# Altium PCB de10nano.PcbDoc (part 2 of 2)
Units mm, origin at the board's own origin, x right, y up, seen from the top; angles counter-clockwise.
Board outline 153.25 x 71.92 mm, 2 copper layers (Top Layer, Bottom Layer); 203 components, 228 nets, 661 pads, 124 vias.
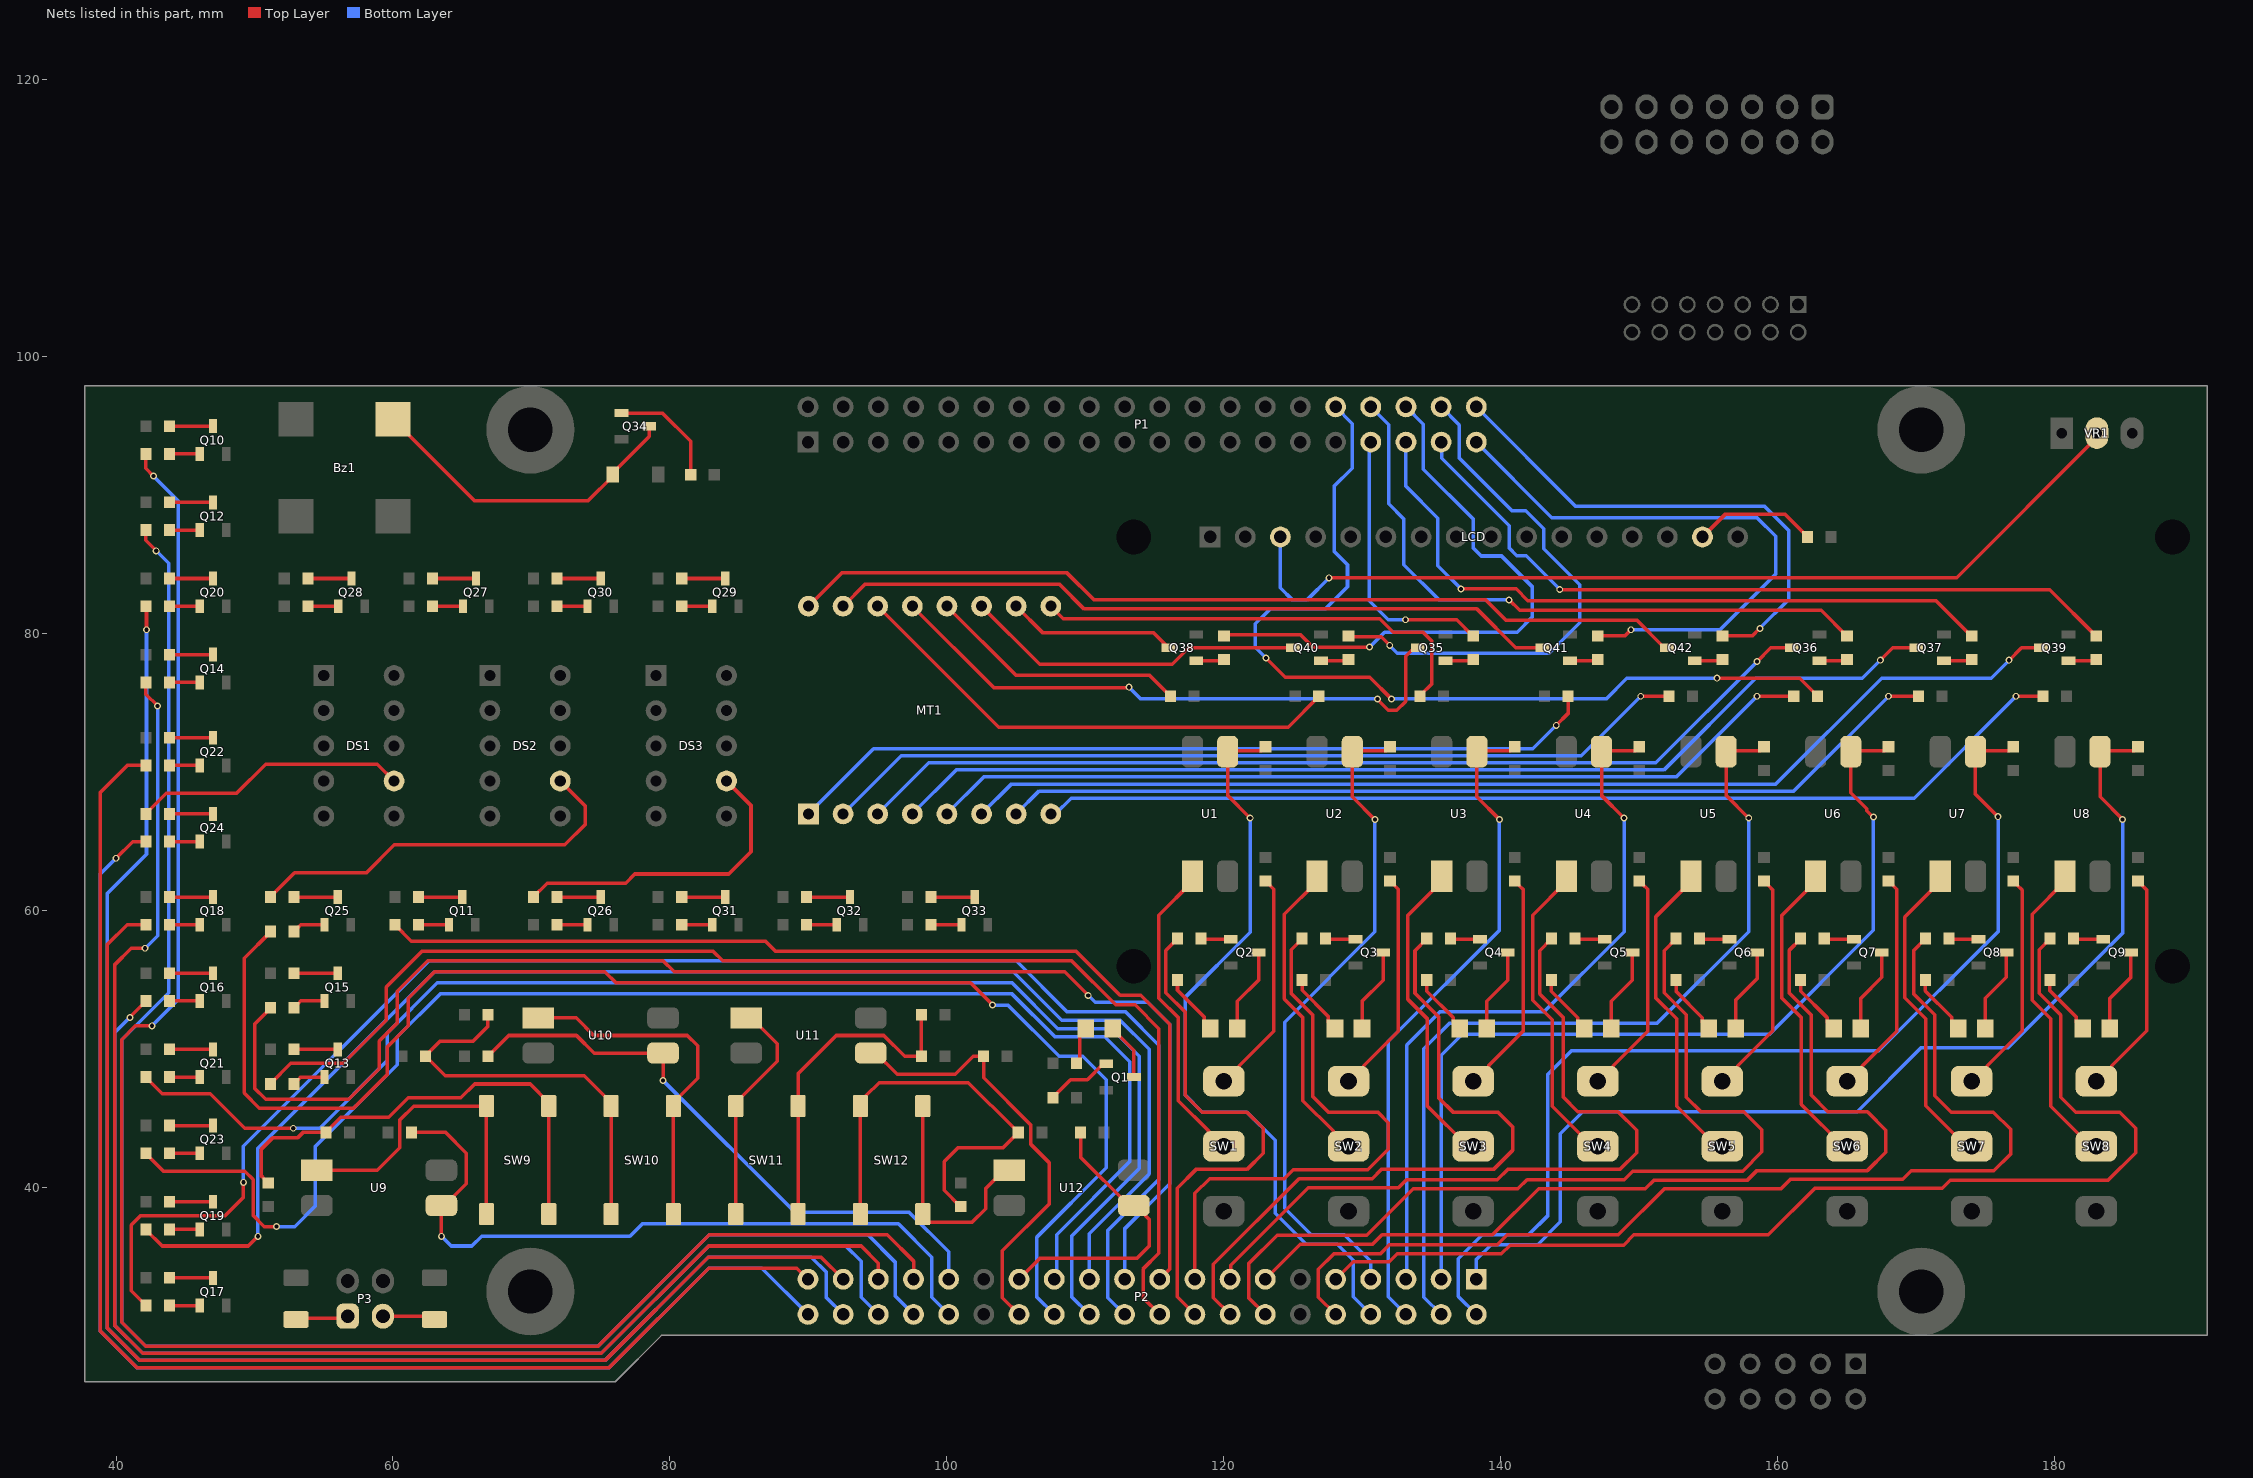
[diagram p2: the nets of this part, all layers, seen from the top]

## Via types
v1: diameter 0.5, hole 0.3, Top Layer to Bottom Layer, 90 vias
v2: diameter 0.8, hole 0.5, Top Layer to Bottom Layer, 28 vias
v3: diameter 0.6, hole 0.4, Top Layer to Bottom Layer, 6 vias

## Nets (pads, with @x,y where several pads share a name; then routed paths per layer and width w, separated by ;. In a path a pad name is that pad's centre, name@x,y a point inside that pad or via, vN(x,y) a via of type N, cw(c..) or ccw(c..) an arc to the next point about the centre after c; other vN are vias at no path point) (continued)
GPIO_0-27: P1.32 R100.1 | length 67.2
  Top Layer w0.254: v1(123.05,78.25) 124.425,76.875 130.525,76.875 v1(132.1,75.3) ; v1(155.6,76.8) 161.575,76.8 162.85,75.525 R100.1@162.85,75.5
  Bottom Layer w0.254: v1(123.05,78.25) 122.275,79.025 122.275,80.725 123.35,81.8 127.325,81.8 128.925,83.4 128.925,85 127.953,85.972 127.953,90.653 129.274,91.974 129.274,95.186 P1.32@128.067,96.393 ; v1(132.1,75.3) 147.6,75.3 149.1,76.8 v1(155.6,76.8)
GPIO_0-28: P1.33 R101.1 | length 20.1
  Top Layer w0.254: v1(133.125,81.019) 136.806,81.019 137.975,79.85 R101.1@138,79.85
  Bottom Layer w0.254: P1.33@130.607,93.853 130.493,93.739 130.493,82.382 131.856,81.019 v1(133.125,81.019)
GPIO_0-29: P1.34 R102.1 | length 46.5
  Top Layer w0.254: v1(140.575,82.45) 140.603,82.45 141.353,81.7 163.125,81.7 164.975,79.85 R102.1@165,79.85
  Bottom Layer w0.254: P1.34@130.607,96.393 131.9,95.1 131.9,89.4 133,88.3 133,85 135.55,82.45 v1(140.575,82.45)
GPIO_0-30: P1.35 R103.1 | length 50.5
  Top Layer w0.254: v1(137.125,83.25) 141.1,83.25 141.95,82.4 171.425,82.4 173.975,79.85 R103.1@174,79.85
  Bottom Layer w0.254: P1.35@133.147,93.853 133.147,90.653 135.447,88.353 135.447,84.928 v1(137.125,83.25)
GPIO_0-31: P1.36 R104.1 | length 43.4
  Top Layer w0.254: R104.1@120,79.85 120.075,79.925 125.55,79.925 126.425,79.05 v1(130.525,79.05)
  Bottom Layer w0.254: v1(130.525,79.05) 131.6,80.125 141.175,80.125 142.25,81.2 142.25,83.425 140.05,85.625 138.575,85.625 138,86.2 138,88.3 134.4,91.9 134.4,95.14 P1.36@133.147,96.393
GPIO_0-32: P1.37 R105.1 | length 54.7
  Top Layer w0.254: v1(144.25,83.2) 179.625,83.2 182.975,79.85 R105.1@183,79.85
  Bottom Layer w0.254: P1.37@135.687,93.853 135.729,93.811 135.729,92.671 140.6,87.8 140.6,86.2 141.15,85.65 141.825,85.65 144.25,83.225 v1(144.25,83.2)
GPIO_0-33: P1.38 R106.1 | length 38.5
  Top Layer w0.254: R106.1@129,79.85 129.05,79.8 131.35,79.8 v1(131.975,79.175)
  Bottom Layer w0.254: v1(131.975,79.175) 131.975,79.15 132.525,78.6 143.5,78.6 145.7,80.8 145.7,83.55 143.1,86.15 143.1,87.6 141.8,88.9 140.8,88.9 137,92.7 137,95.08 P1.38@135.687,96.393
GPIO_0-34: P1.39 R107.1 | length 41.9
  Top Layer w0.254: R107.1@147,79.85 148.95,79.85 v1(149.4,80.3)
  Bottom Layer w0.254: P1.39@138.227,93.853 143.68,88.4 158.5,88.4 159.85,87.05 159.85,84.325 155.825,80.3 v1(149.4,80.3)
GPIO_0-35: P1.40 R108.1 | length 37.1
  Top Layer w0.254: R108.1@156,79.85 158.15,79.85 v1(158.7,80.4)
  Bottom Layer w0.254: P1.40@138.227,96.393 145.42,89.2 159.05,89.2 160.775,87.475 160.775,82.475 v1(158.7,80.4)
GPIO_1-0: P2.1 R34.2 U8.3 | length 78.2
  Top Layer w0.254: v1(184.9,66.6) 183.27,68.23 U8.3@183.27,71.5 183.347,71.577 185.727,71.577 R34.2@186,71.85
  Bottom Layer w0.254: P2.1@138.227,33.401 138.227,34.827 139.3,35.9 142.651,35.9 144.3,37.549 144.3,43.9 145.9,45.5 165.724,45.5 170.324,50.1 176.6,50.1 184.9,58.4 v1(184.9,66.6)
GPIO_1-1: P2.2 R33.2 U7.3 | length 75.8
  Top Layer w0.254: v1(175.9,66.8) 174.27,68.43 U7.3@174.27,71.5 174.347,71.577 176.727,71.577 R33.2@177,71.85
  Bottom Layer w0.254: P2.2@138.227,30.861 136.931,32.156 136.931,34.874 138.657,36.6 142,36.6 143.4,38 143.4,48.2 145.1,49.9 167.3,49.9 175.9,58.5 v1(175.9,66.8)
GPIO_1-2: P2.3 R30.2 U6.3 | length 67.6
  Top Layer w0.254: v1(166.9,66.769) 166.43,67.239 166.43,67.37 165.27,68.53 U6.3@165.27,71.5 165.347,71.577 167.727,71.577 R30.2@168,71.85
  Bottom Layer w0.254: P2.3@135.687,33.401 135.687,49.587 137.2,51.1 159.4,51.1 166.9,58.6 v1(166.9,66.769)
GPIO_1-3: P2.4 R29.2 U5.3 | length 63.2
  Top Layer w0.254: v1(157.9,66.7) 156.27,68.33 U5.3@156.27,71.5 156.347,71.577 158.727,71.577 R29.2@159,71.85
  Bottom Layer w0.254: P2.4@135.687,30.861 134.442,32.106 134.442,50.042 136.3,51.9 151.3,51.9 157.9,58.5 v1(157.9,66.7)
GPIO_1-4: P2.5 R26.2 U4.3 | length 52.6
  Top Layer w0.254: v1(148.9,66.7) 147.27,68.33 U4.3@147.27,71.5 147.347,71.577 149.727,71.577 R26.2@150,71.85
  Bottom Layer w0.254: P2.5@133.147,33.401 133.211,33.465 133.211,50.311 135.6,52.7 143.1,52.7 148.9,58.5 v1(148.9,66.7)
GPIO_1-5: P2.6 R25.2 U3.3 | length 48
  Top Layer w0.254: v1(139.9,66.6) 138.27,68.23 U3.3@138.27,71.5 138.347,71.577 140.727,71.577 R25.2@141,71.85
  Bottom Layer w0.254: P2.6@133.134,30.874 131.877,32.131 131.877,50.577 139.9,58.6 v1(139.9,66.6)
GPIO_1-6: P2.7 R22.2 U2.3 | length 48.3
  Top Layer w0.254: v1(130.9,66.6) 129.27,68.23 U2.3@129.27,71.5 129.347,71.577 131.727,71.577 R22.2@132,71.85
  Bottom Layer w0.254: P2.7@130.607,33.401 130.607,34.693 128.699,36.601 126.299,36.601 124.384,38.516 124.384,51.968 130.9,58.485 v1(130.9,66.6)
GPIO_1-7: P2.8 R21.2 U1.3 | length 54.9
  Top Layer w0.254: v1(121.9,66.7) 120.27,68.33 U1.3@120.27,71.5 120.347,71.577 122.727,71.577 R21.2@123,71.85
  Bottom Layer w0.254: v1(121.9,66.7) 121.9,58.451 117.196,53.746 117.196,46.711 118.44,45.466 121.666,45.466 123.7,43.432 123.7,38.174 125.959,35.916 128.184,35.916 129.337,34.763 129.337,32.131 P2.8@130.607,30.861
GPIO_1-8: P2.9 R18.1 | length 82.1
  Top Layer w0.254: P2.9@128.067,33.401 129.337,34.671 131.953,34.671 132.512,35.23 140.03,35.23 140.665,35.865 148.869,35.865 149.606,36.601 159.301,36.601 162.68,39.98 171.88,39.98 172.438,40.538 183.845,40.538 185.852,42.545 185.852,44.298 184.683,45.466 181.508,45.466 180.442,46.533 180.442,52.476 178.869,54.049 178.869,57.194 179.65,57.975 R18.1@179.65,58
GPIO_1-9: P2.10 R17.1 | length 77.8
  Top Layer w0.254: P2.10@128.067,30.861 126.822,32.106 126.822,34.112 127.965,35.255 131.318,35.255 131.953,35.89 139.751,35.89 140.462,36.601 148.488,36.601 151.816,39.929 160.229,39.929 160.915,40.615 169.015,40.615 169.624,41.224 175.59,41.224 176.809,42.443 176.809,44.221 175.565,45.466 172.517,45.466 171.323,46.66 171.323,52.502 169.799,54.026 169.799,57.124 170.65,57.975 R17.1@170.65,58
GPIO_1-10: P2.13 R14.1 | length 69
  Top Layer w0.254: P2.13@122.987,33.401 125.501,35.916 130.734,35.916 131.42,36.601 139.395,36.601 142.723,39.929 150.429,39.929 151.064,40.564 157.81,40.564 158.496,41.25 166.472,41.25 167.792,42.57 167.792,44.171 166.472,45.491 163.609,45.491 162.4,46.7 162.4,52.484 160.808,54.076 160.808,57.133 161.65,57.975 R14.1@161.65,58
GPIO_1-11: P2.14 R13.1 | length 65.1
  Top Layer w0.254: P2.14@122.987,30.861 121.78,32.068 121.78,34.505 123.85,36.576 130.327,36.576 133.68,39.929 141.229,39.929 141.889,40.589 148.92,40.589 149.53,41.199 157.455,41.199 158.852,42.596 158.852,44.196 157.548,45.5 154.449,45.5 153.4,46.549 153.4,52.5 151.8,54.1 151.8,57.125 152.65,57.975 R13.1@152.65,58
GPIO_1-12: P2.15 R10.1 | length 54.1
  Top Layer w0.254: P2.15@120.447,33.401 120.488,33.442 120.488,34.408 126.086,40.005 132.605,40.005 133.189,40.589 139.751,40.589 140.487,41.326 148.59,41.326 149.809,42.545 149.809,44.145 148.454,45.5 145.559,45.5 144.5,46.559 144.5,52.299 142.8,53.999 142.8,57.125 143.65,57.975 R10.1@143.65,58
GPIO_1-13: P2.16 R9.1 | length 49.6
  Top Layer w0.254: P2.16@120.447,30.861 119.24,32.068 119.24,34.48 125.425,40.665 130.708,40.665 131.369,41.326 139.471,41.326 140.843,42.697 140.843,44.399 139.802,45.441 136.576,45.441 135.5,46.516 135.5,52.358 133.8,54.058 133.8,57.125 134.65,57.975 R9.1@134.65,58
GPIO_1-14: P2.17 R6.1 | length 42
  Top Layer w0.254: P2.17@117.907,33.401 117.907,39.599 118.974,40.665 124.365,40.665 125,41.3 130.378,41.3 131.877,42.799 131.877,44.704 131.14,45.441 127.559,45.441 126.4,46.6 126.4,52.5 124.869,54.031 124.869,57.194 125.65,57.975 R6.1@125.65,58
GPIO_1-15: P2.18 R5.1 | length 37.5
  Top Layer w0.254: R5.1@116.65,58 116.65,57.975 115.808,57.133 115.808,54.1 117.208,52.7 117.208,46.692 118.434,45.466 121.666,45.466 122.834,44.298 122.834,42.494 121.666,41.326 117.983,41.326 116.637,39.98 116.637,32.131 P2.18@117.907,30.861
GPIO_1-16: P2.19 R37.1 | length 77.6
  Top Layer w0.254: R37.1@60.15,59 60.15,58.975 61.325,57.8 86.9,57.8 87.6,57.1 109.3,57.1 112.5,53.9 114,53.9 116.1,51.8 116.1,34.134 P2.19@115.367,33.401
GPIO_1-17: P2.20 R41.1 | length 93.5
  Top Layer w0.254: R41.1@51.15,47.5 51.15,47.525 52.625,49 56.4,49 59.5,52.1 59.5,54.5 62.1,57.1 83.1,57.1 83.8,56.4 109,56.4 112.192,53.208 113.592,53.208 115.3,51.5 115.3,35.275 114.16,34.135 114.16,32.068 P2.20@115.367,30.861
GPIO_1-18: P2.21 R45.1 | length 101
  Top Layer w0.254: R45.1@51.15,53 51.15,52.975 50,51.825 50,47.2 50.8,46.4 56.8,46.4 59,48.6 59,50.6 60.3,51.9 60.3,54.2 62.5,56.4 79.5,56.4 80.3,55.6 108.5,55.6 v1(110.2,53.9)
  Bottom Layer w0.254: v1(110.2,53.9) 110.7,53.4 114.5,53.4 116.1,51.8 116.1,40.3 112.827,37.027 P2.21@112.827,33.401
GPIO_1-19: P2.22 R49.1 | length 114.5
  Top Layer w0.254: R49.1@42.15,31.5 42.15,31.525 41.1,32.575 41.1,37.314 41.786,38 47.9,38 49.2,39.3 v1(49.2,40.4)
  Bottom Layer w0.254: v1(49.2,40.4) 49.2,43 62.6,56.4 105,56.4 108.7,52.7 112.9,52.7 115.3,50.3 115.3,40.6 111.62,36.92 111.62,32.068 P2.22@112.827,30.861
GPIO_1-20: P2.23 R53.1 | length 105.6
  Top Layer w0.254: R53.1@42.15,37 42.15,36.975 43.325,35.8 49.55,35.8 v1(50.25,36.5)
  Bottom Layer w0.254: v1(50.25,36.5) 50.25,42.85 63,55.6 104.8,55.6 108.3,52.1 112.5,52.1 114.6,50 114.6,41 110.287,36.687 P2.23@110.287,33.401
GPIO_1-21: P2.24 R57.1 | length 102.2
  Top Layer w0.254: R57.1@42.15,48 42.15,47.975 43.325,46.8 46.8,46.8 49.3,44.3 v1(52.8,44.3)
  Bottom Layer w0.254: v1(52.8,44.3) 54.7,44.3 59.6,49.2 59.6,51.2 63.2,54.8 104.7,54.8 108,51.5 111.9,51.5 113.9,49.5 113.9,41.4 109,36.5 109,32.148 P2.24@110.287,30.861
GPIO_1-22: P2.25 R61.1 | length 105.4
  Top Layer w0.254: R61.1@42.15,42.5 42.15,42.475 43.425,41.2 49.3,41.2 49.9,40.6 49.9,38 50.7,37.2 v1(51.6,37.2)
  Bottom Layer w0.254: v1(51.6,37.2) 52.9,37.2 54.4,38.7 54.4,43 60.3,48.9 60.3,50.9 63.4,54 104.7,54 107.8,50.9 111.4,50.9 113.2,49.1 113.2,41.9 107.92,36.62 107.92,33.574 P2.25@107.747,33.401
GPIO_1-23: P2.26 R65.1 | length 104.3
  Top Layer w0.254: R65.1@51.15,58.5 51.15,58.475 49.25,56.575 49.25,46.85 50.35,45.75 57.15,45.75 59.6,48.2 59.6,50.2 61.1,51.7 61.1,53.7 63,55.6 75.3,55.6 76.1,54.8 101.7,54.8 v1(103.3,53.2)
  Bottom Layer w0.254: v1(103.3,53.2) 104.4,53.2 108.1,49.5 109.8,49.5 111.5,47.8 111.5,41.447 106.5,36.447 106.5,32.108 P2.26@107.747,30.861
GPIO_1-24: P2.27 R92.2 U12.3 | length 21
  Top Layer w0.254: P2.27@105.207,33.401 106.706,34.9 113.7,34.9 114.625,35.825 114.625,37.695 114.359,37.961 114.359,38.114 113.744,38.73 113.119,38.73 109.65,42.199 R92.2@109.65,44
GPIO_1-25: P2.28 R90.2 U11.3 | length 31.8
  Top Layer w0.254: U11.3@94.5,49.73 94.881,49.73 96.411,48.2 100.6,48.2 101.9,49.5 R90.2@102.65,49.5 102.65,47.95 106.069,44.531 106.069,43.131 107.375,41.825 107.375,38.825 104,35.45 104,32.068 P2.28@105.207,30.861
GPIO_1-26: P2.31 R88.2 U10.3 | length 43.5
  Top Layer w0.254: R88.2@66.85,49.5 66.85,49.525 67.123,49.798 67.148,49.798 68.35,51 73.25,51 74.52,49.73 U10.3@79.5,49.73 v1(79.5,47.75)
  Bottom Layer w0.254: v1(79.5,47.75) 89,38.25 97.25,38.25 100.127,35.373 P2.31@100.127,33.401
GPIO_1-27: P2.32 R86.2 U9.3 | length 53.5
  Top Layer w0.254: R86.2@61.35,44 63.8,44 65.3,42.5 65.3,40.286 63.744,38.73 U9.3@63.5,38.73 v1(63.5,36.5)
  Bottom Layer w0.254: v1(63.5,36.5) 64.2,35.8 65.7,35.8 66.4,36.5 77.113,36.5 78.013,37.4 96.5,37.4 98.9,35 98.9,32.088 P2.32@100.127,30.861
GPIO_1-28: P2.33 R35.1 | length 129.4
  Top Layer w0.254: R35.1@42.15,93 42.15,91.95 v1(42.7,91.4) ; v1(42.6,51.7) 41.4,51.7 40.4,50.7 40.4,30.3 42.142,28.558 74.808,28.558 82.85,36.6 95.7,36.6 97.587,34.713 P2.33@97.587,33.401
  Bottom Layer w0.254: v1(42.6,51.7) 44.5,53.6 44.5,89.6 v1(42.7,91.4)
GPIO_1-29: P2.34 R38.1 | length 124.3
  Top Layer w0.254: R38.1@42.15,87.5 42.15,86.75 v1(42.9,86)
  Bottom Layer w0.254: v1(42.9,86) 43.8,85.1 43.8,54.1 40.4,50.7 40.4,30.3 42.142,28.558 74.808,28.558 82.85,36.6 94.3,36.6 96.254,34.646 96.254,32.194 P2.34@97.587,30.861
GPIO_1-30: P2.35 R42.1 | length 109.5
  Top Layer w0.254: v1(42.1,57.3) 41.1,57.3 39.891,56.091 39.891,30.077 41.918,28.05 75.05,28.05 82.8,35.8 93.8,35.8 95.047,34.553 P2.35@95.047,33.401 ; R42.1@42.15,76.5 42.15,75.65 v1(43,74.8)
  Bottom Layer w0.254: v1(42.1,57.3) 43,58.2 v1(43,74.8)
GPIO_1-31: P2.36 R46.1 | length 87.1
  Top Layer w0.254: v1(41,52.3) 41,52.325 42.15,53.475 R46.1@42.15,53.5
  Bottom Layer w0.254: v1(41,52.3) 39.891,51.191 39.891,30.084 41.925,28.05 75.05,28.05 82.8,35.8 92.7,35.8 93.804,34.696 93.804,32.104 P2.36@95.047,30.861
GPIO_1-32: P2.37 R50.1 | length 88.9
  Top Layer w0.254: R50.1@42.15,59 40.8,59 39.383,57.583 39.383,29.867 41.717,27.533 75.308,27.533 82.775,35 90.908,35 P2.37@92.507,33.401
GPIO_1-33: P2.38 R54.1 | length 113.3
  Top Layer w0.254: R54.1@42.15,82 42.2,81.95 v1(42.2,80.3)
  Bottom Layer w0.254: v1(42.2,80.3) 42.2,64.1 39.383,61.283 39.383,29.86 41.71,27.533 75.308,27.533 82.775,35 90.2,35 91.3,33.901 91.3,32.068 P2.38@92.507,30.861
GPIO_1-34: P2.39 R58.1 | length 98.5
  Top Layer w0.254: R58.1@42.15,70.5 40.8,70.5 38.875,68.575 38.875,29.65 41.5,27.025 75.625,27.025 82.8,34.2 89.166,34.2 89.965,33.401 P2.39@89.967,33.401
GPIO_1-35: P2.40 R62.1 | length 93.8
  Top Layer w0.254: v1(40,63.8) 41.2,65 R62.1@42.15,65
  Bottom Layer w0.254: v1(40,63.8) 38.875,62.675 38.875,29.65 41.5,27.025 75.625,27.025 82.8,34.2 86.628,34.2 P2.40@89.967,30.861
NetBz1_N: Bz1.N D10.1 Q34.3 | length 23.8
  Top Layer w0.254: Bz1.N@60,95.5 65.9,89.6 74.077,89.6 75.86,91.384 75.86,91.616 78.5,94.256 Q34.3@78.5,95
NetC1_2: C1.2 R85.2 SW9.1 | length 34
  Top Layer w0.254: C1.2@51,40.35 50.975,40.35 50.702,40.623 50.702,40.648 50.5,40.85 50.5,42.8 51.3,43.6 53.1,43.6 53.5,44 R85.2@55.15,44 55.15,44.025 56.225,45.1 59.7,45.1 61.1,46.5 64.9,46.5 65.898,47.498 69.902,47.498 71.25,46.15 SW9.1@71.25,45.9 SW9.1@71.25,38.1
NetC2_2: C2.2 R87.2 SW10.1 | length 29.1
  Top Layer w0.254: C2.2@66.85,52.5 66.85,51.65 65.8,50.6 63.425,50.6 62.35,49.525 R87.2@62.35,49.5 62.35,49.475 62.623,49.202 62.648,49.202 63.768,48.082 73.818,48.082 75.75,46.15 SW10.1@75.75,45.9 SW10.1@75.75,38.1
NetC3_2: C3.2 R89.2 SW11.1 | length 23.8
  Top Layer w0.254: SW11.1@89.25,38.1 SW11.1@89.25,45.9 89.25,48.25 92,51 95.451,51 96.951,49.5 R89.2@98.15,49.5 C3.2@98.15,52.5
NetC4_2: C4.2 R91.2 SW12.1 | length 31.6
  Top Layer w0.254: SW12.1@93.75,38.1 SW12.1@93.75,45.9 94.173,46.323 94.173,46.673 95.1,47.6 101.55,47.6 104.852,44.298 104.877,44.298 105.15,44.025 R91.2@105.15,44 105.15,43.975 104.877,43.702 104.852,43.702 104.05,42.9 100.8,42.9 99.8,41.9 99.8,39.825 100.975,38.65 C4.2@101,38.65
NetD1_1: D1.1 R1.2 | length 2.8
  Top Layer w0.254: R1.2@109.35,49 109.6,49.25 109.6,51.075 D1.1@110.025,51.5
NetD1_2: D1.2 Q1.3 | length 4.1
  Top Layer w0.254: D1.2@111.975,51.5 111.975,51.45 113.5,49.925 Q1.3@113.5,48
NetD2_1: D2.1 R3.2 | length 4.5
  Top Layer w0.254: R3.2@116.65,55 116.65,54.267 118.58,52.336 118.58,51.945 D2.1@119.025,51.5
NetD2_2: D2.2 Q2.3 | length 6.1
  Top Layer w0.254: D2.2@120.975,51.5 120.975,53.475 122.5,55 Q2.3@122.5,57
NetD3_1: D3.1 R4.2 | length 4.5
  Top Layer w0.254: R4.2@125.65,55 125.65,54.258 127.552,52.356 127.552,51.973 D3.1@128.025,51.5
NetD3_2: D3.2 Q3.3 | length 6.1
  Top Layer w0.254: D3.2@129.975,51.5 129.975,53.475 131.5,55 Q3.3@131.5,57
NetD4_1: D4.1 R7.2 | length 4.5
  Top Layer w0.254: R7.2@134.65,55 134.65,54.199 136.552,52.297 136.552,51.973 D4.1@137.025,51.5
NetD4_2: D4.2 Q4.3 | length 6.1
  Top Layer w0.254: D4.2@138.975,51.5 138.975,53.475 140.5,55 Q4.3@140.5,57
NetD5_1: D5.1 R8.2 | length 4.5
  Top Layer w0.254: R8.2@143.65,55 143.65,54.194 145.552,52.292 145.552,51.973 D5.1@146.025,51.5
NetD5_2: D5.2 Q5.3 | length 6.1
  Top Layer w0.254: D5.2@147.975,51.5 147.975,53.475 149.5,55 Q5.3@149.5,57
NetD6_1: D6.1 R11.2 | length 4.5
  Top Layer w0.254: R11.2@152.65,55 152.65,54.194 154.552,52.292 154.552,51.973 D6.1@155.025,51.5
NetD6_2: D6.2 Q6.3 | length 6.1
  Top Layer w0.254: D6.2@156.975,51.5 156.975,53.575 158.5,55.1 Q6.3@158.5,57
NetD7_1: D7.1 R12.2 | length 4.5
  Top Layer w0.254: R12.2@161.65,55 161.65,54.199 163.552,52.297 163.552,51.973 D7.1@164.025,51.5
NetD7_2: D7.2 Q7.3 | length 6.1
  Top Layer w0.254: D7.2@165.975,51.5 165.975,53.675 167.5,55.2 Q7.3@167.5,57
NetD8_1: D8.1 R15.2 | length 4.5
  Top Layer w0.254: R15.2@170.65,55 170.65,54.216 172.555,52.311 172.555,51.97 D8.1@173.025,51.5
NetD8_2: D8.2 Q8.3 | length 6.1
  Top Layer w0.254: D8.2@174.975,51.5 174.975,53.69 176.5,55.215 Q8.3@176.5,57
NetD9_1: D9.1 R16.2 | length 4.5
  Top Layer w0.254: R16.2@179.65,55 179.65,54.233 181.564,52.32 181.564,51.961 D9.1@182.025,51.5
NetD9_2: D9.2 Q9.3 | length 6.1
  Top Layer w0.254: D9.2@183.975,51.5 183.975,53.673 185.5,55.198 Q9.3@185.5,57
NetF1_2: F1.2 P3.1 | length 3.8
  Top Layer w0.254: F1.2@53,30.49 53.095,30.585 56.585,30.585 P3.1@56.73,30.73
NetF2_2: F2.2 P3.3 | length 3.8
  Top Layer w0.254: P3.3@59.27,30.73 62.76,30.73 F2.2@63,30.49
NetLCD_3: LCD.3 VR1.2 | length 68.2
  Top Layer w0.254: v1(127.6,84.05) 172.908,84.05 183.04,94.182 VR1.2@183.04,94.5
  Bottom Layer w0.254: LCD.3@124.08,87 124.08,83.32 124.95,82.45 126,82.45 v1(127.6,84.05)
NetLCD_15: LCD.15 R83.2 | length 9
  Top Layer w0.254: LCD.15@154.56,87 156.185,88.625 160.525,88.625 161.852,87.298 161.877,87.298 162.15,87.025 R83.2@162.15,87
NetMT1_1: MT1.1 R97.2 | length 59.1
  Top Layer w0.254: v1(144,73.4) 144.85,74.25 R97.2@144.85,75.5
  Bottom Layer w0.254: MT1.1@90,67 94.7,71.7 142.3,71.7 v1(144,73.4)
NetMT1_2: MT1.2 R99.2 | length 63.2
  Top Layer w0.254: v1(150.1,75.5) R99.2@152.15,75.5
  Bottom Layer w0.254: MT1.2@92.5,67 96.692,71.192 145.792,71.192 v1(150.1,75.5)
NetMT1_3: MT1.3 Q36.3 | length 71
  Top Layer w0.254: v1(158.5,78) 159.5,79 Q36.3@161,79
  Bottom Layer w0.254: MT1.3@95,67 98.684,70.684 151.184,70.684 v1(158.5,78)
NetMT1_4: MT1.4 Q37.3 | length 77.5
  Top Layer w0.254: v1(167.4,78.1) 168.3,79 Q37.3@170,79
  Bottom Layer w0.254: MT1.4@97.5,67 100.676,70.176 151.776,70.176 158.4,76.8 166.1,76.8 v1(167.4,78.1)
NetMT1_5: MT1.5 R100.2 | length 64.7
  Top Layer w0.254: v1(158.5,75.5) R100.2@161.15,75.5
  Bottom Layer w0.254: MT1.5@100,67 102.668,69.668 152.668,69.668 v1(158.5,75.5)
NetMT1_6: MT1.6 Q39.3 | length 81.5
  Top Layer w0.254: v1(176.7,78.1) 177.6,79 Q39.3@179,79
  Bottom Layer w0.254: MT1.6@102.5,67 104.66,69.16 159.86,69.16 167.5,76.8 175.4,76.8 v1(176.7,78.1)
NetMT1_7: MT1.7 R98.2 | length 68.7
  Top Layer w0.254: v1(168,75.5) R98.2@170.15,75.5
  Bottom Layer w0.254: MT1.7@105,67 106.652,68.652 161.152,68.652 v1(168,75.5)
NetMT1_8: MT1.8 R95.2 | length 75.2
  Top Layer w0.254: v1(177.2,75.5) R95.2@179.15,75.5
  Bottom Layer w0.254: MT1.8@107.5,67 107.837,67 108.981,68.144 169.844,68.144 v1(177.2,75.5)
NetMT1_9: MT1.9 R93.2 | length 32.9
  Top Layer w0.254: MT1.9@107.5,82 108.4,81.1 131.25,81.1 132.225,80.125 134.375,80.125 135.025,79.475 135.025,76.4 134.15,75.525 R93.2@134.15,75.5
NetMT1_10: MT1.10 Q38.3 | length 12.2
  Top Layer w0.254: MT1.10@105,82 106.9,80.1 114.9,80.1 Q38.3@116,79
NetMT1_11: MT1.11 Q40.3 | length 24.7
  Top Layer w0.254: MT1.11@102.5,82 106.7,77.8 116.275,77.8 117.475,79 Q40.3@125,79
NetMT1_12: MT1.12 R96.2 | length 18.9
  Top Layer w0.254: MT1.12@100,82 105,77 114.65,77 115.852,75.798 115.877,75.798 116.15,75.525 R96.2@116.15,75.5
NetMT1_13: MT1.13 Q35.3 | length 43.5
  Top Layer w0.254: MT1.13@97.5,82 103.375,76.125 113.125,76.125 v1(113.15,76.15) ; v1(131.1,75.3) 131.1,75.233 131.858,74.475 132.475,74.475 133.121,75.121 133.121,78.384 133.564,78.827 133.827,78.827 Q35.3@134,79
  Bottom Layer w0.254: v1(113.15,76.15) 114,75.3 v1(131.1,75.3)
NetMT1_14: MT1.14 R94.2 | length 36.4
  Top Layer w0.254: MT1.14@95,82 103.738,73.262 124.637,73.262 126.85,75.475 R94.2@126.85,75.5
NetMT1_15: MT1.15 Q41.3 | length 53.1
  Top Layer w0.254: MT1.15@92.5,82 94.1,83.6 108.1,83.6 109.9,81.8 138.275,81.8 141.075,79 Q41.3@143,79
NetMT1_16: MT1.16 Q42.3 | length 65.2
  Top Layer w0.254: MT1.16@90,82 92.4,84.4 108.675,84.4 110.625,82.45 138.9,82.45 140.35,81 149.8,81 151.8,79 Q42.3@152,79
NetQ1_1: Q1.1 R2.2 | length 4.9
  Top Layer w0.254: R2.2@107.65,46.5 107.65,46.525 108.925,47.8 110.15,47.8 111.3,48.95 Q1.1@111.5,48.95
NetQ2_1: Q2.1 R5.2 | length 2.2
  Top Layer w0.254: R5.2@118.35,58 118.4,57.95 Q2.1@120.5,57.95
NetQ3_1: Q3.1 R6.2 | length 2.2
  Top Layer w0.254: R6.2@127.35,58 127.4,57.95 Q3.1@129.5,57.95
NetQ4_1: Q4.1 R9.2 | length 2.2
  Top Layer w0.254: R9.2@136.35,58 136.4,57.95 Q4.1@138.5,57.95
NetQ5_1: Q5.1 R10.2 | length 2.2
  Top Layer w0.254: R10.2@145.35,58 145.4,57.95 Q5.1@147.5,57.95
NetQ6_1: Q6.1 R13.2 | length 2.2
  Top Layer w0.254: R13.2@154.35,58 154.4,57.95 Q6.1@156.5,57.95
NetQ7_1: Q7.1 R14.2 | length 2.2
  Top Layer w0.254: R14.2@163.35,58 163.4,57.95 Q7.1@165.5,57.95
NetQ8_1: Q8.1 R17.2 | length 2.2
  Top Layer w0.254: R17.2@172.35,58 172.4,57.95 Q8.1@174.5,57.95
NetQ9_1: Q9.1 R18.2 | length 2.2
  Top Layer w0.254: R18.2@181.35,58 181.4,57.95 Q9.1@183.5,57.95
NetQ10_1: Q10.1 R35.2 | length 2.2
  Top Layer w0.254: R35.2@43.85,93 Q10.1@46.05,93
NetQ10_3: Q10.3 R36.1 | length 3.1
  Top Layer w0.254: R36.1@43.85,95 Q10.3@47,95
NetQ11_1: Q11.1 R37.2 | length 2.2
  Top Layer w0.254: R37.2@61.85,59 Q11.1@64.05,59
NetQ11_3: Q11.3 R39.1 | length 3.1
  Top Layer w0.254: R39.1@61.85,61 Q11.3@65,61
NetQ12_1: Q12.1 R38.2 | length 2.2
  Top Layer w0.254: R38.2@43.85,87.5 Q12.1@46.05,87.5
NetQ12_3: Q12.3 R40.1 | length 3.1
  Top Layer w0.254: R40.1@43.85,89.5 Q12.3@47,89.5
NetQ13_1: Q13.1 R41.2 | length 2.4
  Top Layer w0.254: R41.2@52.85,47.5 52.85,47.525 53.123,47.798 53.148,47.798 53.35,48 Q13.1@55.05,48
NetQ13_3: Q13.3 R43.1 | length 3.1
  Top Layer w0.254: R43.1@52.85,50 Q13.3@56,50
NetQ14_1: Q14.1 R42.2 | length 2.2
  Top Layer w0.254: R42.2@43.85,76.5 Q14.1@46.05,76.5
NetQ14_3: Q14.3 R44.1 | length 3.1
  Top Layer w0.254: R44.1@43.85,78.5 Q14.3@47,78.5
NetQ15_1: Q15.1 R45.2 | length 2.4
  Top Layer w0.254: R45.2@52.85,53 52.85,53.025 53.123,53.298 53.148,53.298 53.35,53.5 Q15.1@55.05,53.5
NetQ15_3: Q15.3 R47.1 | length 3.1
  Top Layer w0.254: R47.1@52.85,55.5 Q15.3@56,55.5
NetQ16_1: Q16.1 R46.2 | length 2.2
  Top Layer w0.254: R46.2@43.85,53.5 Q16.1@46.05,53.5
NetQ16_3: Q16.3 R48.1 | length 3.1
  Top Layer w0.254: R48.1@43.85,55.5 Q16.3@47,55.5
NetQ17_1: Q17.1 R49.2 | length 2.2
  Top Layer w0.254: R49.2@43.85,31.5 Q17.1@46.05,31.5
NetQ17_3: Q17.3 R51.1 | length 3.1
  Top Layer w0.254: R51.1@43.85,33.5 Q17.3@47,33.5
NetQ18_1: Q18.1 R50.2 | length 2.2
  Top Layer w0.254: R50.2@43.85,59 Q18.1@46.05,59
NetQ18_3: Q18.3 R52.1 | length 3.1
  Top Layer w0.254: R52.1@43.85,61 Q18.3@47,61
NetQ19_1: Q19.1 R53.2 | length 2.2
  Top Layer w0.254: R53.2@43.85,37 Q19.1@46.05,37
NetQ19_3: Q19.3 R55.1 | length 3.1
  Top Layer w0.254: R55.1@43.85,39 Q19.3@47,39
NetQ20_1: Q20.1 R54.2 | length 2.2
  Top Layer w0.254: R54.2@43.85,82 Q20.1@46.05,82
NetQ20_3: Q20.3 R56.1 | length 3.1
  Top Layer w0.254: R56.1@43.85,84 Q20.3@47,84
NetQ21_1: Q21.1 R57.2 | length 2.2
  Top Layer w0.254: R57.2@43.85,48 Q21.1@46.05,48
NetQ21_3: Q21.3 R59.1 | length 3.1
  Top Layer w0.254: R59.1@43.85,50 Q21.3@47,50
NetQ22_1: Q22.1 R58.2 | length 2.2
  Top Layer w0.254: R58.2@43.85,70.5 Q22.1@46.05,70.5
NetQ22_3: Q22.3 R60.1 | length 3.1
  Top Layer w0.254: R60.1@43.85,72.5 Q22.3@47,72.5
NetQ23_1: Q23.1 R61.2 | length 2.2
  Top Layer w0.254: R61.2@43.85,42.5 Q23.1@46.05,42.5
NetQ23_3: Q23.3 R63.1 | length 3.1
  Top Layer w0.254: R63.1@43.85,44.5 Q23.3@47,44.5
NetQ24_1: Q24.1 R62.2 | length 2.2
  Top Layer w0.254: R62.2@43.85,65 Q24.1@46.05,65
NetQ24_3: Q24.3 R64.1 | length 3.1
  Top Layer w0.254: R64.1@43.85,67 Q24.3@47,67
NetQ25_1: Q25.1 R65.2 | length 2.4
  Top Layer w0.254: R65.2@52.85,58.5 52.85,58.525 53.123,58.798 53.148,58.798 53.35,59 Q25.1@55.05,59
NetQ25_3: Q25.3 R66.1 | length 3.1
  Top Layer w0.254: R66.1@52.85,61 Q25.3@56,61
NetQ26_1: Q26.1 R67.2 | length 2.2
  Top Layer w0.254: R67.2@71.85,59 Q26.1@74.05,59
NetQ26_3: Q26.3 R68.1 | length 3.1
  Top Layer w0.254: R68.1@71.85,61 Q26.3@75,61
NetQ27_1: Q27.1 R69.2 | length 2.2
  Top Layer w0.254: R69.2@62.85,82 Q27.1@65.05,82
NetQ27_3: Q27.3 R70.1 | length 3.1
  Top Layer w0.254: R70.1@62.85,84 Q27.3@66,84
NetQ28_1: Q28.1 R71.2 | length 2.2
  Top Layer w0.254: R71.2@53.85,82 Q28.1@56.05,82
NetQ28_3: Q28.3 R72.1 | length 3.1
  Top Layer w0.254: R72.1@53.85,84 Q28.3@57,84
NetQ29_1: Q29.1 R73.2 | length 2.2
  Top Layer w0.254: R73.2@80.85,82 Q29.1@83.05,82
NetQ29_3: Q29.3 R74.1 | length 3.1
  Top Layer w0.254: R74.1@80.85,84 Q29.3@84,84
NetQ30_1: Q30.1 R75.2 | length 2.2
  Top Layer w0.254: R75.2@71.85,82 Q30.1@74.05,82
NetQ30_3: Q30.3 R76.1 | length 3.1
  Top Layer w0.254: R76.1@71.85,84 Q30.3@75,84
NetQ31_1: Q31.1 R77.2 | length 2.2
  Top Layer w0.254: R77.2@80.85,59 Q31.1@83.05,59
NetQ31_3: Q31.3 R78.1 | length 3.1
  Top Layer w0.254: R78.1@80.85,61 Q31.3@84,61
NetQ32_1: Q32.1 R79.2 | length 2.2
  Top Layer w0.254: R79.2@89.85,59 Q32.1@92.05,59
NetQ32_3: Q32.3 R80.1 | length 3.1
  Top Layer w0.254: R80.1@89.85,61 Q32.3@93,61
NetQ33_1: Q33.1 R81.2 | length 2.2
  Top Layer w0.254: R81.2@98.85,59 Q33.1@101.05,59
NetQ33_3: Q33.3 R82.1 | length 3.1
  Top Layer w0.254: R82.1@98.85,61 Q33.3@102,61
NetQ34_1: Q34.1 R84.2 | length 8.2
  Top Layer w0.254: Q34.1@76.5,95.95 79.45,95.95 81.5,93.9 R84.2@81.5,91.5
NetQ35_1: Q35.1 R101.2 | length 2
  Top Layer w0.254: Q35.1@136,78.05 137.9,78.05 R101.2@138,78.15
NetQ36_1: Q36.1 R102.2 | length 2
  Top Layer w0.254: Q36.1@163,78.05 164.9,78.05 R102.2@165,78.15
NetQ37_1: Q37.1 R103.2 | length 2
  Top Layer w0.254: Q37.1@172,78.05 173.9,78.05 R103.2@174,78.15
NetQ38_1: Q38.1 R104.2 | length 2
  Top Layer w0.254: Q38.1@118,78.05 119.9,78.05 R104.2@120,78.15
NetQ39_1: Q39.1 R105.2 | length 2
  Top Layer w0.254: Q39.1@181,78.05 182.9,78.05 R105.2@183,78.15
NetQ40_1: Q40.1 R106.2 | length 2
  Top Layer w0.254: Q40.1@127,78.05 128.9,78.05 R106.2@129,78.15
NetQ41_1: Q41.1 R107.2 | length 2
  Top Layer w0.254: Q41.1@145,78.05 146.9,78.05 R107.2@147,78.15
NetQ42_1: Q42.1 R108.2 | length 2
  Top Layer w0.254: Q42.1@154,78.05 155.9,78.05 R108.2@156,78.15
NetR19_2: R19.2 SW1.3 | length 16.3
  Top Layer w0.254: SW1.3@120,47.7 120.171,47.7 121.112,48.641 121.112,48.812 123.6,51.3 123.6,61.55 123.298,61.852 123.298,61.877 123.025,62.15 R19.2@123,62.15
NetR20_2: R20.2 SW2.3 | length 16.3
  Top Layer w0.254: SW2.3@129,47.7 129.171,47.7 130.112,48.641 130.112,48.812 132.6,51.3 132.6,61.55 132.298,61.852 132.298,61.877 132.025,62.15 R20.2@132,62.15
NetR23_2: R23.2 SW3.3 | length 16.3
  Top Layer w0.254: SW3.3@138,47.7 138.171,47.7 139.112,48.641 139.112,48.812 141.63,51.33 141.63,61.52 141.298,61.852 141.298,61.877 141.025,62.15 R23.2@141,62.15
NetR24_2: R24.2 SW4.3 | length 16.3
  Top Layer w0.254: SW4.3@147,47.7 147.171,47.7 148.112,48.641 148.112,48.812 150.6,51.3 150.6,61.55 150.298,61.852 150.298,61.877 150.025,62.15 R24.2@150,62.15
NetR27_2: R27.2 SW5.3 | length 16.3
  Top Layer w0.254: SW5.3@156,47.7 156.171,47.7 157.112,48.641 157.112,48.812 159.639,51.339 159.639,61.511 159.298,61.852 159.298,61.877 159.025,62.15 R27.2@159,62.15
NetR28_2: R28.2 SW6.3 | length 16.3
  Top Layer w0.254: SW6.3@165,47.7 165.171,47.7 166.112,48.641 166.112,48.812 168.6,51.3 168.6,61.55 168.298,61.852 168.298,61.877 168.025,62.15 R28.2@168,62.15
NetR31_2: R31.2 SW7.3 | length 16.3
  Top Layer w0.254: SW7.3@174,47.7 174.171,47.7 175.112,48.641 175.112,48.812 177.648,51.348 177.648,61.502 177.298,61.852 177.298,61.877 177.025,62.15 R31.2@177,62.15
NetR32_2: R32.2 SW8.3 | length 16.3
  Top Layer w0.254: SW8.3@183,47.7 183.171,47.7 184.112,48.641 184.112,48.812 186.639,51.339 186.639,61.511 186.298,61.852 186.298,61.877 186.025,62.15 R32.2@186,62.15
NetSW1_2: SW1.2 U1.1 | length 22.6
  Top Layer w0.254: U1.1@117.73,62.5 117.73,62.119 115.3,59.689 115.3,53.7 116.7,52.3 116.7,46.3 118.888,44.112 118.888,43.941 119.829,43 SW1.2@120,43
NetSW2_2: SW2.2 U2.1 | length 22.5
  Top Layer w0.254: U2.1@126.73,62.5 126.73,62.119 124.361,59.75 124.361,53.639 125.7,52.3 125.7,46.3 127.888,44.112 127.888,43.941 128.829,43 SW2.2@129,43
NetSW3_2: SW3.2 U3.1 | length 22.7
  Top Layer w0.254: U3.1@135.73,62.5 135.73,62.119 133.292,59.681 133.292,53.601 134.7,52.193 134.7,45.9 137.6,43 SW3.2@138,43
NetSW4_2: SW4.2 U4.1 | length 22.7
  Top Layer w0.254: U4.1@144.73,62.5 144.73,62.119 142.292,59.681 142.292,53.542 143.7,52.134 143.7,45.9 146.6,43 SW4.2@147,43
NetSW5_2: SW5.2 U5.1 | length 22.8
  Top Layer w0.254: U5.1@153.73,62.5 153.73,62.119 151.2,59.589 151.2,53.7 152.7,52.2 152.7,45.9 155.6,43 SW5.2@156,43
NetSW6_2: SW6.2 U6.1 | length 22.6
  Top Layer w0.254: U6.1@162.73,62.5 162.73,62.119 160.3,59.689 160.3,53.7 161.7,52.3 161.7,46.021 164.721,43 SW6.2@165,43
NetSW7_2: SW7.2 U7.1 | length 22.8
  Top Layer w0.254: U7.1@171.73,62.5 171.73,62.119 169.164,59.553 169.164,53.721 170.688,52.197 170.688,45.923 173.611,43 SW7.2@174,43
NetSW8_2: SW8.2 U8.1 | length 22.6
  Top Layer w0.254: U8.1@180.73,62.5 180.73,62.119 178.361,59.75 178.361,53.541 179.705,52.197 179.705,45.895 182.6,43 SW8.2@183,43
NetSW9_2: SW9.2 U9.1 | length 23.1
  Top Layer w0.254: U9.1@54.5,41.27 58.87,41.27 60.5,42.9 60.5,44.9 61.5,45.9 SW9.2@66.75,45.9 SW9.2@66.75,38.1
NetSW10_2: SW10.2 U10.1 | length 25.2
  Top Layer w0.254: U10.1@70.5,52.27 73.23,52.27 74.5,51 81.25,51 82,50.25 82,47.9 80.25,46.15 SW10.2@80.25,45.9 SW10.2@80.25,38.1
NetSW11_2: SW11.2 U11.1 | length 16.6
  Top Layer w0.254: SW11.2@84.75,38.1 SW11.2@84.75,45.9 84.75,46.15 87.75,49.15 87.75,50.401 85.881,52.27 U11.1@85.5,52.27
NetSW12_2: SW12.2 U12.1 | length 16.8
  Top Layer w0.254: SW12.2@98.25,45.9 SW12.2@98.25,38.1 98.25,37.923 98.673,37.5 101.8,37.5 102.8,38.5 102.8,39.951 104.119,41.27 U12.1@104.5,41.27
p1: DS1.7 R64.2 | length 19.9
  Top Layer w0.254: R64.2@42.15,67 42.15,67.025 43.625,68.5 48.7,68.5 50.8,70.6 58.86,70.6 DS1.7@60.08,69.38
p2: DS2.7 R66.2 | length 28.8
  Top Layer w0.254: R66.2@51.15,61 51.15,61.025 52.888,62.763 58.09,62.763 60.096,64.77 72.415,64.77 73.9,66.255 73.9,67.56 DS2.7@72.08,69.38
p3: DS3.7 R68.2 | length 22.9
  Top Layer w0.254: R68.2@70.15,61 70.15,61.025 71.126,62.001 76.81,62.001 77.47,62.662 84.252,62.662 85.852,64.262 85.852,67.608 DS3.7@84.08,69.38
pads on no net: Bz1.1 Bz1.2 Designator220.1 Designator220.2 Designator220.3 Designator220.4 Designator220.5 Designator220.6 Designator220.7 Designator220.8 Designator220.9 Designator220.10 Designator223.1 Designator223.2 Designator223.3 Designator223.4 Designator223.5 Designator223.6 Designator223.7 Designator223.8 Designator223.9 Designator223.10 Designator223.11 Designator223.12 Designator223.13 Designator223.14 Designator224.01 Designator224.02 Designator224.03 Designator224.04 Designator224.05 Designator224.06 Designator224.07 Designator224.08 Designator224.09 Designator224.10 Designator224.11 Designator224.12 Designator224.13 Designator224.14

## Polygon pours and split planes (outlines as drawn)
GND on Top Layer "GND_L01_P002" (solid, pour order 2): 37.75,98 191,98 191,29.25 79.5,29.25 76.25,26 37.75,26
GND on Bottom Layer "GND_L02_P000" (solid, pour order 0): 37.75,98 191,98 191,29.25 79.5,29.25 76.25,26 37.75,26

## Keep-outs
Keep-Out Layer:
  lines w0.254: 166.4,29.342 166.405,29.337 ; 37.75,26 76.05,26 79.387,29.337 191,29.337 191,97.917 37.75,97.917 37.75,26

## Silkscreen, mask and mechanical layers (free items; w line width, h text height)
Top Overlay:
  lines w0.254: 88.73,64.46 88.73,84.526 108.796,84.526 108.796,64.46 88.73,64.46
  text "GND" at 56.503,35.003 h1.22
  text "+5" at 56.278,28.922 h1.07 r270
  text "+3." at 58.878,28.922 h1.07 r270
  text "3" at 58.878,26.122 h1.07 r270

## Text inside footprints (layer, text, board x,y; h text height)
Bz1: Top Overlay "-" at 62.104,95.241 h1.27; Top Overlay "+" at 62.104,87.748 h1.27
Designator220: Top Overlay "9" at 153.7,27.8 h1.27 r180; Top Overlay "10" at 153.6,25.3 h1.27 r180; Top Overlay "2" at 168.3,25.3 h1.27 r180; Top Overlay "1" at 167.8,27.8 h1.27 r180
MT1: Top Overlay "C5" at 103.084,69.17 h1.14 r90; Top Overlay "C6" at 103.084,78.154 h1.14 r90; Top Overlay "R3" at 108.084,69.17 h1.14 r90; Top Overlay "R8" at 100.584,69.17 h1.14 r90; Top Overlay "R1" at 108.084,78.154 h1.14 r90; Top Overlay "C4" at 105.584,78.154 h1.14 r90; Top Overlay "C7" at 93.084,78.154 h1.14 r90; Top Overlay "C2" at 95.584,69.17 h1.14 r90; Top Overlay "C3" at 98.084,69.17 h1.14 r90; Top Overlay "C1" at 98.084,78.154 h1.14 r90; Top Overlay "R5" at 90.584,69.17 h1.14 r90; Top Overlay "C8" at 90.584,78.154 h1.14 r90; Top Overlay "R6" at 105.584,69.17 h1.14 r90; Top Overlay "R7" at 93.084,69.17 h1.14 r90; Top Overlay "R4" at 100.584,78.154 h1.14 r90; Top Overlay "R2" at 95.584,78.154 h1.14 r90
P1: Top Overlay "39" at 140.259,93.345 h0.91; Top Overlay "40" at 140.259,95.885 h0.91; Top Overlay "2" at 87.304,95.905 h0.91; Top Overlay "1" at 87.427,93.345 h0.91
P2: Top Overlay "39" at 87.935,33.909 h0.91 r180; Top Overlay "40" at 87.935,31.369 h0.91 r180; Top Overlay "2" at 140.89,31.349 h0.91 r180; Top Overlay "1" at 140.767,33.909 h0.91 r180